# Altium PCB DI543.PcbDoc (part 5 of 8) (continued)
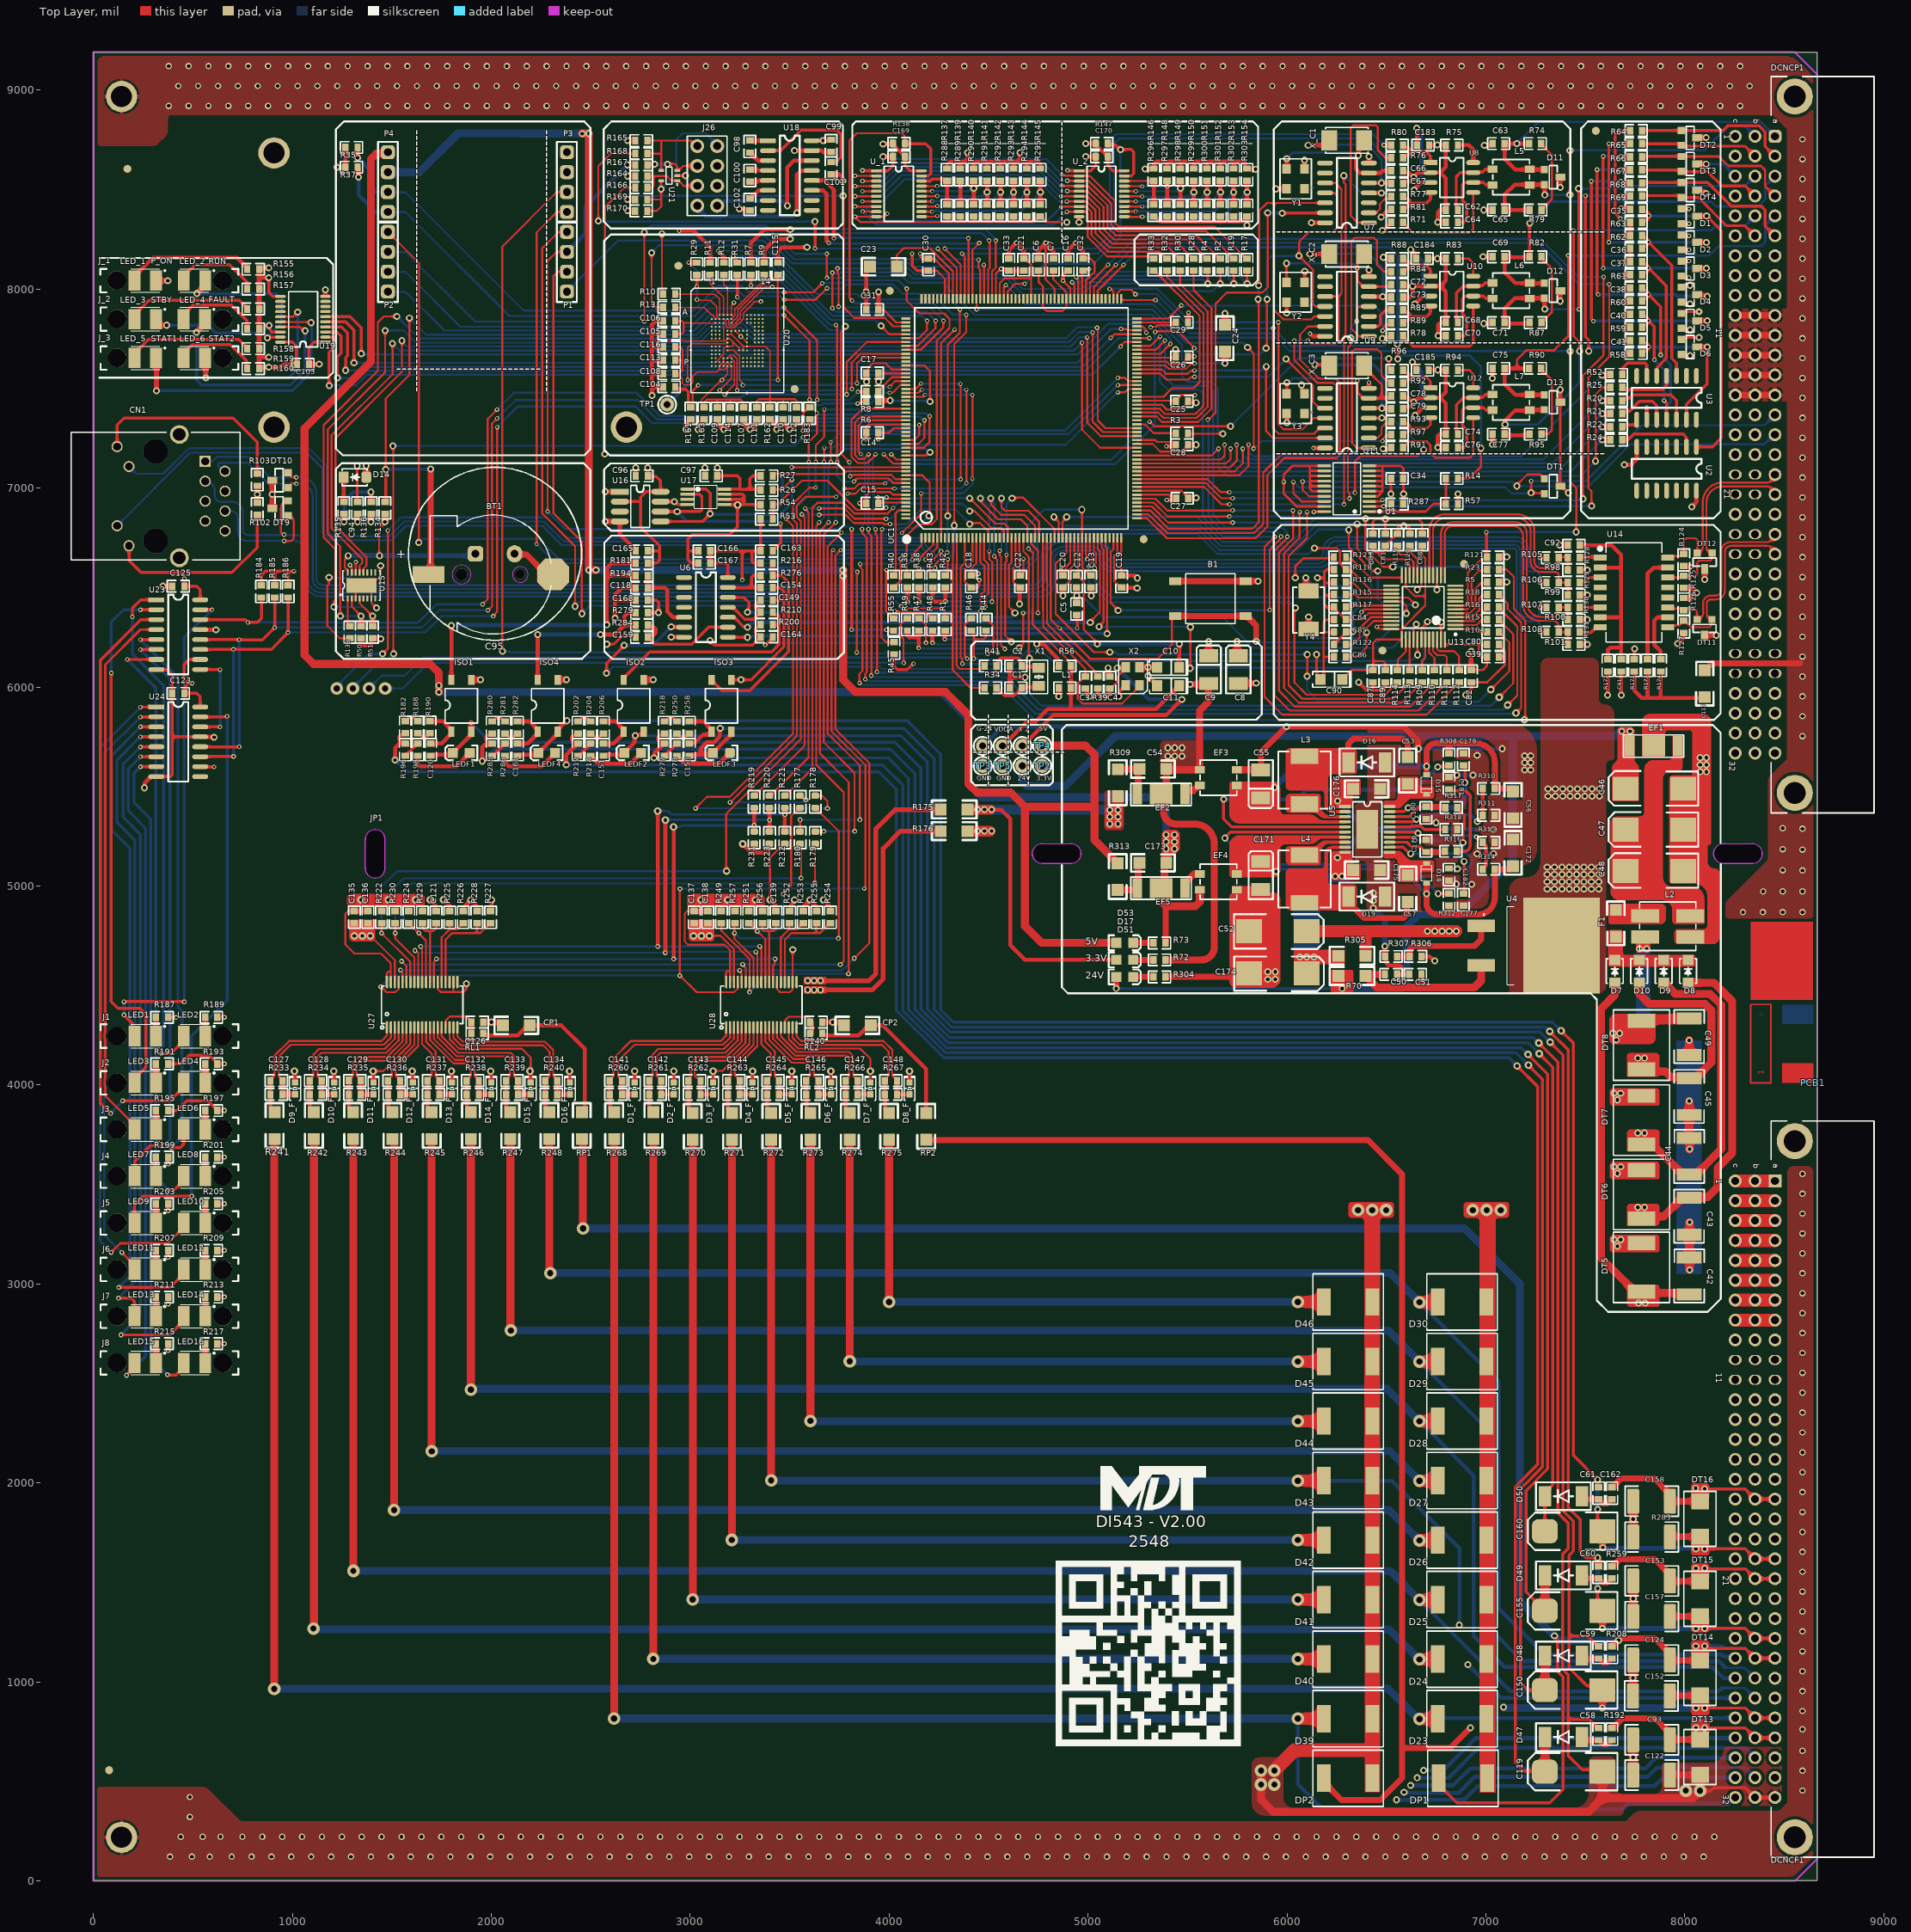
[diagram p0: Top Layer view]
## Nets (pads, with @x,y where several pads share a name; then routed paths per layer and width w, separated by ;. In a path a pad name is that pad's centre, name@x,y a point inside that pad or via, vN(x,y) a via of type N, cw(c..) or ccw(c..) an arc to the next point about the centre after c; other vN are vias at no path point) (continued)
  Top Layer w10: U27.12@1691.93,4289.32 1691.93,4226.59 1810.14,4108.38 1878.62,4108.38 1897.64,4089.36 1897.64,4046.88 1876.45,4025.7 C132.2@1876.45,4022.2
  Top Layer w19.68: R238.2@1876.45,3953.06 C132.2@1876.45,4022.2 ; R238.2@1877.39,3952.12 1877.39,3883.62 R246.2@1897.45,3863.56
NetC133_1: C133.1 D15_F.1 R239.1 U27.15 | length 712.9
  Top Layer w10: U27.15@1750.98,4289.32 1751.33,4288.97 1751.33,4244.27 1833.6,4162 2097.84,4162 2114.17,4145.67 2114.17,4046.53 2135.01,4025.7 C133.1@2135.01,4022.2
  Top Layer w19.68: R239.1@2135.01,3953.06 C133.1@2135.01,4022.2 ; R239.1@2135.22,3953.27 D15_F.1@2197.98,3953.27
NetC133_2: C133.2 R239.2 R247.2 U27.14 | length 745.9
  Top Layer w10: U27.14@1731.3,4289.32 1731.3,4239.03 1826.2,4144.13 2088.63,4144.13 2094.49,4138.27 2094.49,4046.18 2074.01,4025.7 C133.2@2074.01,4022.2
  Top Layer w19.68: R239.2@2074.01,3953.06 C133.2@2074.01,4022.2 ; R239.2@2074.88,3952.19 2074.88,3883.68 R247.2@2095.01,3863.56
NetC134_1: C134.1 D16_F.1 R240.1 U27.19 | length 849.5
  Top Layer w10: U27.19@1829.72,4289.32 1829.72,4244.62 1856.34,4218 2269.73,4218 2311.02,4176.71 2311.02,4047.24 2332.56,4025.7 C134.1@2332.56,4022.2
  Top Layer w19.68: R240.1@2332.56,3953.06 C134.1@2332.56,4022.2 ; R240.1@2332.77,3953.27 D16_F.1@2395.54,3953.27
NetC134_2: C134.2 R240.2 R248.2 U27.18 | length 884.6
  Top Layer w10: U27.18@1810.04,4289.32 1810.04,4236.74 1846.66,4200.13 2260.5,4200.13 2293.15,4167.48 2293.15,4047.29 2271.56,4025.7 C134.2@2271.56,4022.2
  Top Layer w19.68: R240.2@2271.56,3953.06 C134.2@2271.56,4022.2 ; R240.2@2272.51,3952.11 2272.51,3883.61 R248.2@2292.56,3863.56
NetC139_2: C139.2 R256.2 U28.27 | length 390.5
  Top Layer w9.84: R256.2@3362.78,4812.47 3362.78,4783.4 3372.18,4774 3393.68,4774 ; U28.27@3397.11,4517.67 3397.11,4770.57 3393.68,4774 ; C139.2@3431.28,4812.47 3431.28,4786.29 3418.99,4774 3393.68,4774
NetC141_1: C141.1 D1_F.1 R260.1 U28.2 | length 897
  Top Layer w10: C141.1@2655.57,4025.7 2644.57,4036.7 2644.11,4036.7 2638.26,4042.56 2638.26,4120.26 2720.6,4202.6 3165.51,4202.6 3200.26,4237.35 U28.2@3200.26,4289.32
  Top Layer w19.68: C141.1@2657.43,4022.2 R260.1@2657.43,3953.06 2657.64,3953.27 2720.4,3953.27 D1_F.1@2720.61,3953.49
NetC141_2: C141.2 R260.2 R268.2 U28.1 | length 922.8
  Top Layer w10: C141.2@2594.57,4025.7 2614.63,4045.76 2614.63,4134.63 2700.47,4220.47 3153.54,4220.47 3180.58,4247.51 U28.1@3180.58,4289.32
  Top Layer w19.68: R260.2@2596.43,3953.06 C141.2@2596.43,4022.2 ; R260.2@2597.39,3952.1 2597.39,3876.53 R268.2@2601.88,3872.05
NetC142_1: C142.1 D2_F.1 R261.1 U28.4 | length 764.7
  Top Layer w10: C142.1@2851.72,4025.7 2831.17,4046.24 2831.17,4141.73 2850.85,4161.42 3177.17,4161.42 3239.63,4223.89 U28.4@3239.63,4289.32
  Top Layer w19.68: R261.1@2851.47,3953.27 2914.23,3953.27 D2_F.1@2914.44,3953.49 ; R261.1@2854.92,3953.06 C142.1@2854.92,4022.2
NetC142_2: C142.2 R261.2 R269.2 U28.3 | length 783.2
  Top Layer w10: C142.2@2790.72,4025.7 2811.48,4046.47 2811.48,4153.54 2839.04,4181.1 3169.29,4181.1 3219.95,4231.76 U28.3@3219.95,4289.32
  Top Layer w19.68: R269.2@2794.72,3873.03 C142.2@2794.72,4021.4
NetC143_1: C143.1 D3_F.1 R262.1 U28.6 | length 598.2
  Top Layer w10: C143.1@3047.28,4022.38 3022,4047.66 3022,4096.34 3047.7,4122.05 3188.35,4122.05 3279,4212.7 U28.6@3279,4289.32
  Top Layer w19.68: C143.1@3052.42,4022.2 R262.1@3052.42,3953.06 D3_F.1@3115.18,3953.06
NetC143_2: C143.2 R262.2 R270.2 U28.5 | length 638.1
  Top Layer w10: C143.2@2982.96,4022.2 2993.96,4033.2 2993.96,4037.42 3004,4047.46 3004,4109.84 3035.89,4141.73 3182.76,4141.73 3259.32,4218.29 U28.5@3259.32,4289.32
  Top Layer w19.68: R262.2@2991.42,3953.06 C143.2@2991.42,4022.2 ; R262.2@2992.12,3952.37 2992.12,3891.08 2992.26,3890.93 2992.26,3879.55 R270.2@3012.42,3859.39
NetC144_1: C144.1 D4_F.1 R263.1 U28.9 | length 455.3
  Top Layer w10: C144.1@3247.53,4022.2 3247.53,4025.7 3224.87,4048.36 3224.87,4082.96 3338.06,4196.15 U28.9@3338.06,4289.32
  Top Layer w19.68: C144.1@3249.92,4022.2 R263.1@3249.92,3953.06 D4_F.1@3312.68,3953.06
NetC144_2: C144.2 R263.2 R271.2 U28.8 | length 493.7
  Top Layer w10: C144.2@3182.12,4022.2 3193.12,4033.2 3193.12,4036.79 3205.18,4048.85 3205.18,4088.55 3318.37,4201.74 U28.8@3318.37,4289.32
  Top Layer w19.68: R263.2@3188.92,3953.06 C144.2@3188.92,4022.2 ; R263.2@3189.89,3952.09 3189.89,3879.42 R271.2@3209.92,3859.39
NetC145_1: C145.1 D5_F.1 R264.1 U28.11 | length 427
  Top Layer w10: U28.11@3377.43,4289.32 3377.43,4217.52 3425.66,4169.29 3425.66,4045.12 3445.08,4025.7 C145.1@3445.08,4022.2
  Top Layer w19.68: R264.1@3445.3,3953.27 D5_F.1@3508.06,3953.27 ; R264.1@3447.41,3953.06 C145.1@3447.41,4022.2
NetC145_2: C145.2 R264.2 R272.2 U28.10 | length 438.1
  Top Layer w10: U28.10@3357.74,4289.32 3357.74,4205.71 3405.97,4157.48 3405.97,4047.59 C145.2@3384.08,4025.7
  Top Layer w19.68: R264.2@3386.41,3953.06 C145.2@3386.41,4022.2 ; R272.2@3387.09,3876.08 R264.2@3387.09,3952.39
NetC146_1: C146.1 D6_F.1 R265.1 U28.13 | length 535.3
  Top Layer w10: U28.13@3416.8,4289.32 3416.8,4232.18 3518.95,4130.03 3591.97,4130.03 3622.06,4099.94 3622.06,4046.28 3642.64,4025.7 C146.1@3642.64,4022.2
  Top Layer w19.68: R265.1@3639.98,3953.27 D6_F.1@3702.74,3953.27 ; R265.1@3644.91,3953.06 C146.1@3644.91,4022.2
NetC146_2: C146.2 R265.2 R273.2 U28.12 | length 570.5
  Top Layer w10: U28.12@3397.11,4289.32 3397.11,4226.59 3511.55,4112.16 3583.84,4112.16 3602.82,4093.18 3602.82,4046.88 C146.2@3581.64,4025.7
  Top Layer w19.68: R265.2@3583.91,3953.06 C146.2@3583.91,4022.2 ; R265.2@3584.57,3952.4 3584.57,3891.08 3584.75,3890.9 3584.75,3879.55 R273.2@3604.91,3859.39
NetC147_1: C147.1 D7_F.1 R266.1 U28.15 | length 712.9
  Top Layer w10: U28.15@3456.17,4289.32 3456.52,4288.97 3456.52,4244.27 3535.01,4165.78 3799.25,4165.78 3819.36,4145.67 3819.36,4046.53 3840.19,4025.7 C147.1@3840.19,4022.2
  Top Layer w19.68: C147.1@3842.41,4022.2 R266.1@3842.41,3953.06 D7_F.1@3905.17,3953.06
NetC147_2: C147.2 R266.2 R274.2 U28.14 | length 722
  Top Layer w10: U28.14@3436.48,4289.32 3436.48,4239.03 3527.61,4147.9 3791.85,4147.9 3799.67,4140.08 3799.67,4046.18 C147.2@3779.19,4025.7
  Top Layer w19.68: R266.2@3781.41,3953.06 C147.2@3781.41,4022.2 ; R274.2@3782.06,3876.93 R266.2@3782.06,3952.41
NetC148_1: C148.1 D8_F.1 R267.1 U28.19 | length 849.5
  Top Layer w10: U28.19@3534.91,4289.32 3534.91,4244.62 3558.74,4220.79 3972.13,4220.79 4016.21,4176.71 4016.21,4047.24 4037.75,4025.7 C148.1@4037.75,4022.2
  Top Layer w19.68: R267.1@4037.96,3953.27 D8_F.1@4100.72,3953.27 ; R267.1@4039.91,3953.06 C148.1@4039.91,4022.2
NetC148_2: C148.2 R267.2 R275.2 U28.18 | length 888.8
  Top Layer w10: U28.18@3515.22,4289.32 3515.22,4236.74 3550.6,4201.37 3964.45,4201.37 3998.33,4167.48 3998.33,4047.29 3976.75,4025.7 C148.2@3976.75,4022.2
  Top Layer w19.68: R267.2@3978.91,3953.06 C148.2@3978.91,4022.2 ; R267.2@3979.83,3952.14 3979.83,3879.47 R275.2@3999.91,3859.39
NetC149_2: C149.2 R210.1 U6.11 | length 298.2
  Top Layer w15: U6.11@3188.98,6400.98 3214.54,6400.98 3221.48,6394.05 3221.48,6393.68 3273.52,6341.63 3320.17,6341.63 3342.33,6363.79 3345.93,6363.79 R210.1@3354.33,6372.19 ; R210.1@3354.43,6375.79 3354.43,6379.29 3345.93,6387.79 3336.3,6387.79 3327.51,6396.58 3327.51,6416.79 3336.3,6425.58 3345.93,6425.58 3354.43,6434.08 C149.2@3354.43,6437.58
NetC151_1: C151.1 ISO2.1 R206.1 | length 261.6
  Top Layer w20: C151.1@2564.3,5715.76 2615.49,5715.76 2666.16,5766.42 ISO2.1@2666.16,5776.27 2666.16,5786.11 2624.62,5827.65 R206.1@2564.3,5827.65
NetC154_2: C154.2 R276.1 U6.13 | length 268.5
  Top Layer w15: U6.13@3188.98,6499.37 3308.07,6499.37 ; C154.2@3354.43,6499.37 3308.07,6499.37 ; R276.1@3354.43,6561.16 3316.86,6561.16 3308.07,6552.38 3308.07,6499.37
NetC156_1: C156.1 ISO3.1 R258.1 | length 278.4
  Top Layer w20: C156.1@2996.7,5715.76 3002.7,5721.76 3025.73,5721.76 3065.47,5761.5 3101.48,5761.5 3107.22,5767.25 3107.22,5786.11 3065.69,5827.65 R258.1@2996.7,5827.65
NetC159_2: C159.2 R284.1 U6.9 | length 556.5
  Top Layer w15: C159.2@2795.7,6238.21 2797.22,6238.21 2819.88,6215.55 3007.87,6215.55 3093.31,6300.98 U6.9@3188.98,6300.98
  Top Layer w20: C159.2@2787.2,6250.21 2793.2,6256.21 2793.2,6259.71 2814.07,6259.71 2825.79,6271.43 2825.79,6292.32 2814.07,6304.04 2793.2,6304.04 2793.2,6306.29 R284.1@2787.2,6312.29
NetC161_1: C161.1 ISO4.1 R282.1 | length 260
  Top Layer w20: C161.1@2132.42,5715.76 2182.62,5715.76 2233.49,5766.63 ISO4.1@2233.49,5776.47 2227.74,5782.22 2227.74,5792.06 2192.16,5827.65 R282.1@2132.42,5827.65
NetC171_1: C171.1 C172.2 D18.A EF4.2 R312.1 R314.2 U5.7 | length 2144.1
  Top Layer w15: C171.1@5868.84,5122.84 5869,5122.84 5869,5193 cw(c5922.09,5193) 5922.09,5246.09 U5.7@6292,5246.09
  Top Layer w30: D18.A@6702.32,5009.36 v1(6702.32,4961.02) 6702.32,4912.68 ccw(c6758,4912.68) 6758,4857 6817,4857 ; R312.1@6815.04,4901.09 6816,4901.09 6817,4900.09 6817,4857 ; C172.2@7136,5099.77 cw(c7121,5099.77) 7121,5084.77 R314.2@7045,5084.77 7045,4941 cw(c6961,4941) 6961,4857 6817,4857
  Bottom Layer w15: v1(5946,5073) 5951.41,5073 5963.41,5085 6578.34,5085 v1(6702.32,4961.02)
NetC173_2: C173.2 EF5.3 R313.1 | length 236
  Top Layer w35: R313.1@5149.27,4979.84 5240.83,4979.84 5247.33,4986.34 EF5.3@5247.33,4989.45 5253.1,4995.22 5253.1,5111.07 C173.2@5258.88,5116.84
NetC177_2: C177.2 U5.12 | length 568
  Top Layer w15: U5.12@6516.41,5194.91 6584.57,5194.91 6616.53,5162.95 v1(6621.95,5162.95) ; C177.2@6887.1,4962.09 6892,4966.99 6892,5123 v1(6891,5124)
  Bottom Layer w15: v1@6622.23,5162.95 6852.05,5162.95 v1(6891,5124)
NetC178_1: C178.1 U5.19 | length 591.5
  Top Layer w15: U5.19@6516.41,5374.04 6538.06,5374.04 6579,5374 ccw(c6579,5400.56) 6597.78,5381.78 v1(6609,5393) ; v1@6886,5516 6886,5518.44 6895,5527.44 C178.1@6895,5605 ; C178.1@6887.1,5606.25 C178.1@6893,5600.35
  Bottom Layer w25: v1(6609,5393) 6844,5393 ccw(c6844,5444) 6895,5444 v1(6895,5520)
NetC179_2: C179.2 R316.2 U5.13 | length 301.5
  Top Layer w15: U5.13@6516.41,5220.5 6603.5,5220.5 6626.05,5197.95 6670.74,5197.95 6687.38,5181.31 6687.38,5179.19 6696.57,5170 C179.2@6698.68,5170 ; R316.2@6790.14,5170.69 ccw(c6790.14,5174.69) R316.2@6794.14,5174.69
  Top Layer w30: C179.2@6699.38,5170.69 R316.2@6790.14,5170.69
NetC180_2: C180.2 R317.1 U5.18 | length 302.6
  Top Layer w15: U5.18@6516.41,5348.45 6614.45,5348.45 6664.25,5398.25 C180.2@6699.38,5398.25 ; R317.1@6792.14,5398.25 cw(c6792.14,5394.25) R317.1@6796.14,5394.25
  Top Layer w30: C180.2@6699.38,5398.25 R317.1@6792.14,5398.25
NetC181_2: C181.2 R316.1 | length 455.3
  Top Layer w15: C181.2@6815.04,5486.23 6822.27,5479 6899,5479 6922,5456 6922,5206 cw(c6890,5206) 6890,5174 6855.14,5174 R316.1@6855.14,5174.69
NetC182_2: C182.2 R317.2 | length 439.5
  Top Layer w15: C182.2@6815.04,5088.77 6815.93,5087.89 6856.11,5087.89 v1(6857,5087) ; R317.2@6857.14,5394.25 6857.14,5390.75 6887.61,5360.29 cw(c6877,5349.68) 6892,5349.68 6892,5290.05 6884.97,5283.01 v1(6884.97,5217.97)
  Bottom Layer w15: v1(6857,5087) 6903.5,5087 6926,5109.5 6926,5141 6884.97,5182.03 v1(6884.97,5217.97)
NetCN1_9: CN1.9 R103.1 | length 1050.5
  Top Layer w15: CN1.9@118.95,7208.91 119,7318 154,7353 703,7353 824,7232 R103.1@824,7060.21
NetCN1_10: CN1.10 R115.1 U13.28 | length 7911.8
  Top Layer w10: R115.1@6297.23,6465.71 6343.35,6465.71 6359.21,6449.85 U13.28@6524.4,6449.85 6610.19,6449.85 v1(6646.65,6413.39) ; v1(6311.02,6790.32) 6311.02,6702.76 6430.42,6583.36 6456.01,6583.36 v1@6457.68,6581.69
  Bottom Layer w10: CN1.10@178.79,7108.91 182,7105.7 184.93,7102.77 215.7,7072 351,7072 480,7201 1083,7201 1174,7110 1174,6786.63 1202.13,6758.5 1488.82,6758.5 1562.99,6832.68 2264.04,6832.68 2364.84,6731.87 4165.37,6731.87 4283.24,6614 4680.71,6614 4727.04,6660.33 4727.04,6763.46 4754.58,6791 5557.28,6791 5659.28,6689 6054.16,6689 6157.48,6792.32 6309.02,6792.32 v1(6311.02,6790.32) ; v1(6456.69,6583.66) 6456.69,6444.88 6488.19,6413.39 v1(6646.65,6413.39)
NetCN1_11: CN1.11 R118.1 U13.26 | length 7356.3
  Top Layer w10: v1(6138.78,6698.82) 6250,6698.82 6266.73,6682.09 6266.73,6619.5 6297.23,6589 6297.23,6585.5 6300.05,6582.68 6326.77,6582.68 6344,6565.45 ; 6344.49,6564.96 6420.23,6489.22 U13.26@6524.4,6489.22
  Bottom Layer w10: CN1.11@118.95,6810.87 485.97,7177.89 1073.11,7177.89 1151,7100 1151,6778.13 1190.63,6738.5 1500.32,6738.5 1572.83,6811.02 2257.41,6811.02 2354.43,6714 4153.13,6714 4271,6596.13 4692.13,6596.13 4746,6650 4746,6747.97 4769.03,6771 5549,6771 5651,6669 6108.96,6669 v1(6138.78,6698.82)
NetCN1_12: CN1.12 R102.1 | length 960.6
  Top Layer w15: CN1.12@178.79,6710.87 178.79,6636.17 239.17,6575.79 696.85,6575.79 823.5,6702.44 823.5,6865.5 R102.1@824,6866
NetCP1_1: CP1.1 RL1.2 RP1.1 | length 871.2
  Top Layer w19.68: RL1.2@1973,4249 2132.52,4249 CP1.1@2183.52,4300 ; CP1.1@2193.52,4300 2352,4300 2470.47,4181.53 RP1.1@2470.47,3868
NetCP2_1: CP2.1 RL2.2 RP2.1 | length 834.3
  Top Layer w19.68: RL2.2@3674.27,4258.38 3674.27,4255.16 3680.43,4249 3847,4249 CP2.1@3898,4300 ; CP2.1@3908,4300 3967,4300 4186,4081 RP2.1@4186,3866
NetD7_K: D7.K D8.K D9.K D10.K F1.1 | length 368
  Top Layer w50: D7.K@7649,4627.83 D10.K@7771.67,4627.83 D9.K@7894.33,4627.83 D8.K@8017,4627.83
NetD14_K: D14.K R135.2 | length 122
  Top Layer w20: R135.2@1258.03,6933.07 D14.K@1258.03,7055.06
NetD17_K: D17.K R72.2 | length 94.1
  Top Layer w15: D17.K@5235.32,4629.34 D17.K@5235.9,4628.76
  Top Layer w30: D17.K@5235.9,4628.76 R72.2@5329.19,4628.76
NetD51_K: D51.K R304.1 | length 93.9
  Top Layer w25: D51.K@5235.32,4543.68 D51.K@5235.4,4543.59 ; R304.1@5329.11,4543.59 R304.1@5329.19,4543.51
  Top Layer w30: D51.K@5235.4,4543.59 R304.1@5329.11,4543.59
NetD53_K: D53.K R73.2 | length 94.3
  Top Layer w20: D53.K@5235.32,4715 D53.K@5235.82,4714.5 ; R73.2@5328.69,4714.5 R73.2@5329.19,4714
  Top Layer w30: D53.K@5235.82,4714.5 R73.2@5328.69,4714.5
NetDCNCP1_A15: DCNCP1.A15 DT1.2 U1.18 | length 2943.3
  Top Layer w10: v3@6032,7033 6032,6974.89 6073.44,6933.45 U1.18@6188,6933.45 ; v3(7228,7035.84) 7228,6979 7231.5,6975.5 7291,6975.5 DT1.2@7294.5,6972
  Bottom Layer w10: v3(6032,7032) 6060.22,7003.78 7098.58,7003.78 7128.11,6974.25 v1@7230.25,6974.25 ; v3(7228,7035.84) 7504.35,7035.84 7785.19,7316.69 8401.97,7316.69 DCNCP1.A15@8453.78,7368.5
  other v1: 7228,6976.48
NetDCNCP1_A16: DCNCP1.A16 DT1.1 U1.17 | length 2830.6
  Top Layer w10: v3(6079,7032.89) 6079,6991 6110.96,6959.04 U1.17@6188,6959.04 ; v1(7155.51,7010.83) 7155.51,7015.75 7208.66,7068.9 7272.6,7068.9 DT1.1@7294.5,7047
  Bottom Layer w10: v3(6079,7032.89) 7131.61,7032.89 7153.68,7010.83 v1(7155.51,7010.83) 7156.5,7009.84 7516.73,7009.84 7727.91,7221.02 8401.02,7221.02 8448.5,7268.5 DCNCP1.A16@8453.78,7268.5
NetEF2_1: EF2.1 EF3.4 | length 100.5
  Top Layer w35: EF2.1@5487.49,5461.49 5487.49,5474.26 5493.99,5480.76 5531,5480.76 5556.16,5505.93 EF3.4@5562.07,5505.93
NetEF4_3: EF4.3 EF5.1 | length 119.4
  Top Layer w35: EF5.1@5487.49,4989.45 5487.49,5015.45 5531.63,5059.59 5560.87,5059.59 EF4.3@5562.07,5060.8
NetF1_2: F1.2 L2.1
NetISO1_4: ISO1.4 R181.2 R194.2 | length 1653.5
  Top Layer w20: ISO1.4@1800,6024.56 v1(1800,6310) ; v1(2580.71,6313.09) 2580.71,6560.59 ; R194.2@2726.2,6560.59 2580.71,6560.59 ; R181.2@2726.2,6622.67 2604.95,6622.67 2580.71,6598.43 2580.71,6560.59
  Bottom Layer w20: v1(1800,6310) 1801.55,6311.55 2579.89,6311.55 v1@2580.71,6312.36
NetISO2_4: ISO2.4 R200.2 R210.2 | length 1070.7
  Top Layer w15: ISO2.4@2664.05,6044 ISO2.4@2674.4,6054.36 ; ISO2.4@2674.4,6054.4 2797.17,6177.17 3410.17,6177.17 3448,6215 3448,6314 ; R200.2@3415.43,6314 3448,6314 ; R210.2@3415.43,6375.79 3415.43,6372.29 3423.93,6363.79 3439.21,6363.79 3448,6355 3448,6314
NetISO3_4: ISO3.4 R216.2 R276.2 | length 990.2
  Top Layer w15: ISO3.4@3107.23,6036.27 3160.49,5983 3299,5983 3494,6178 3494,6527 3460.24,6560.76 3414.37,6560.76 R216.2@3414.37,6618.69
NetISO4_4: ISO4.4 R279.2 R284.2 | length 864.1
  Top Layer w15: R284.2@2726.2,6312.29 2726.21,6315.79 R284.2@2734.7,6324.29
  Top Layer w20: ISO4.4@2233.49,6036.47 v1(2233.49,6264.32) ; v1(2549.21,6264.32) 2621.61,6264.32 2669.29,6312 ; R284.2@2726.2,6312.29 2725.92,6312 2669.29,6312 ; R279.2@2726.2,6374.36 2725.86,6374.02 2687.99,6374.02 2669.29,6355.32 2669.29,6312
  Bottom Layer w20: v1(2233.49,6264.32) v1(2549.21,6264.32)
NetJ26_1: J26.1 R165.1 R168.2 U21.4 | length 483.2
  Top Layer w10: R168.2@2784.92,8681.69 2851.96,8681.69 2854.33,8684.06 ; R165.1@2784.92,8747.08 2854.33,8747.08 3000.79,8747.08 3028.19,8719.69 J26.1@3035.83,8719.69 ; U21.4@2854.33,8596.46 2854.33,8684.06 ; 2854.33,8747.05 2854.33,8684.06
NetJ26_2: J26.2 R169.2 R170.2 U21.5 | length 807.5
  Top Layer w10: R170.2@2784.74,8393.47 2832.45,8393.47 2854.33,8415.35 v1(2854.33,8502.95) U21.5@2854.33,8545.28 ; R169.2@2784.74,8451.76 2785.71,8450.79 2853.35,8450.79
  Bottom Layer w10: v1(2854.33,8502.95) 2857.04,8502.95 2931.1,8577.02 2931.1,8751.97 2962.6,8783.46 3077.76,8783.46 3135.83,8725.39 J26.2@3135.83,8719.69
NetJ26_3: J26.3 R167.2 U21.3 | length 289.3
  Top Layer w10: R167.2@2784.92,8624.58 R167.2@2787.31,8626.97 ; v1@2886.83,8629.92 2923.23,8629.92 2935.04,8618.11 U21.3@2935.04,8596.46 2941.93,8596.46 2965.16,8619.69 J26.3@3035.83,8619.69
  Top Layer w20: R167.2@2787.31,8626.97 v1@2822.83,8626.97
  Bottom Layer w10: v1@2822.83,8626.97 v1@2824.31,8628.45 ; v1@2885.35,8628.45 v1@2886.83,8629.92
  Bottom Layer w20: v1@2824.31,8628.45 v1@2885.35,8628.45
  other v1: 2820.87,8627.95 2886.83,8627.95
NetJ26_5: J26.5 R164.1 R166.2 U21.1 | length 357
  Top Layer w10: R166.2@2784.92,8510.35 2785.39,8510.83 2809.06,8510.83 2815.95,8517.72 2815.95,8568.8 ; R164.1@2784.92,8567.47 2786.25,8568.8 2815.95,8568.8 ; J26.5@3035.83,8519.69 2967.52,8519.69 2941.93,8545.28 U21.1@2935.04,8545.28 2906.5,8545.28 2882.98,8568.8 2815.95,8568.8
NetJ26_7: J26.7 U18.13 | length 811.3
  Top Layer w20: v1(3536.42,8382.87) 3536.42,8574.8 3558.13,8596.51 U18.13@3611.19,8596.51
  Bottom Layer w20: J26.7@3035.83,8419.69 3035.83,8409.06 3079.72,8365.16 3112.57,8365.16 3113.05,8364.69 3158.61,8364.69 3159.08,8365.16 3517.2,8365.16 3533.84,8381.79 v1@3535.33,8381.79
NetJ26_8: J26.8 U18.14 | length 704.8
  Top Layer w20: v1(3489.17,8419.29) 3487.2,8421.26 3487.2,8612.2 3521.51,8646.51 U18.14@3611.19,8646.51
  Bottom Layer w20: J26.8@3135.83,8419.69 3149.12,8419.69 3172.54,8443.11 3465.35,8443.11 v1(3489.17,8419.29)
NetL3_2: L3.2 U5.3 | length 228.1
  Top Layer w15: L3.2@6089,5412.09 6113.69,5412.09 cw(c6113.69,5397.09) 6124.26,5407.74 6179.16,5352.84 6179.2,5352.8 ccw(c6189.76,5363.45) 6189.76,5348.45 U5.3@6292,5348.45
NetL4_2: L4.2 U5.8 | length 189.7
  Top Layer w15: L4.2@6126,5163 6183.23,5220.23 U5.8@6292,5220.23
NetLED1_K: LED1.K R187.1 | length 94.1
  Top Layer w20: LED1.K@314.58,4246.19 R187.1@314.58,4340.33
NetLED2_K: LED2.K R189.1 | length 94.7
  Top Layer w20: R189.1@562.41,4340.52 562.61,4340.33 562.61,4246.19 LED2.K@562.8,4246
NetLED3_K: LED3.K R191.1 | length 94.7
  Top Layer w20: LED3.K@314.58,4011.19 R191.1@314.58,4105.92
NetLED4_K: LED4.K R193.1 | length 95.3
  Top Layer w20: R193.1@562.41,4106.11 562.61,4105.92 562.61,4011.19 LED4.K@562.8,4011
NetLED5_K: LED5.K R195.1 | length 94.3
  Top Layer w20: LED5.K@314.58,3777.19 R195.1@314.58,3871.52
NetLED6_K: LED6.K R197.1 | length 94.9
  Top Layer w20: R197.1@562.41,3871.71 562.61,3871.52 562.61,3777.19 LED6.K@562.8,3777
NetLED7_K: LED7.K R199.1 | length 94.9
  Top Layer w20: LED7.K@314.58,3542.19 R199.1@314.58,3637.11
NetLED8_K: LED8.K R201.1 | length 95.5
  Top Layer w20: R201.1@562.41,3637.3 562.61,3637.11 562.61,3542.19 LED8.K@562.8,3542
NetLED9_K: LED9.K R203.1 | length 95.5
  Top Layer w20: LED9.K@314.58,3307.19 R203.1@314.58,3402.71
NetLED10_K: LED10.K R205.1 | length 96.1
  Top Layer w20: R205.1@562.41,3402.9 562.61,3402.71 562.61,3307.19 LED10.K@562.8,3307
NetLED11_K: LED11.K R207.1 | length 95.1
  Top Layer w20: LED11.K@314.58,3073.19 R207.1@314.58,3168.3
NetLED12_K: LED12.K R209.1 | length 95.7
  Top Layer w20: R209.1@562.41,3168.49 562.61,3168.3 562.61,3073.19 LED12.K@562.8,3073
NetLED13_K: LED13.K R211.1 | length 95.7
  Top Layer w20: LED13.K@314.58,2838.19 R211.1@314.58,2933.89
NetLED14_K: LED14.K R213.1 | length 96.2
  Top Layer w20: R213.1@562.41,2934.09 562.61,2933.89 562.61,2838.19 LED14.K@562.8,2838
NetLED15_K: LED15.K R215.1 | length 96.3
  Top Layer w20: LED15.K@314.58,2603.19 R215.1@314.58,2699.49
NetLED16_K: LED16.K R217.1 | length 96.8
  Top Layer w20: R217.1@562.41,2699.68 562.61,2699.49 562.61,2603.19 LED16.K@562.8,2603
NetLED_1_A: LED_1.A R155.1 | length 648.9
  Top Layer w20: LED_1.A@206.84,8043.71 206.84,8065.37 299.47,8158 722.47,8158 763.29,8117.18 766.79,8117.18 772.79,8111.18 R155.1@772.79,8107.68
NetLED_2_A: LED_2.A R156.1 | length 429.5
  Top Layer w15: LED_2.A@453.44,8043.71 453.44,8065.37 512.08,8124 684,8124 772.79,8035.21 R156.1@772.79,8007.77
NetLED_2_K: LED_2.K U19.19 | length 814.5
  Top Layer w15: LED_2.K@561.71,8022.06 LED_2.K@561.71,8043.71 ; v1(873.79,7755) 879.2,7755 883.61,7759.41 U19.19@940,7759.41
  Top Layer w25: v1(520,7979) 520,7980.35 LED_2.K@561.71,8022.06
  Bottom Layer w15: v1(520,7979) 522,7977 923,7977 945,7955 945,7829 873.79,7757.79 v1(873.79,7755)
NetLED_3_A: LED_3.A R157.1 | length 637.6
  Top Layer w15: LED_3.A@206.84,7849.8 206.84,7871.45 279.39,7944 733.15,7944 772.79,7904.36 R157.1@772.79,7900.86
NetLED_3_K: LED_3.K U19.18 | length 697.1
  Top Layer w15: LED_3.K@315.11,7849.8 315.11,7841.03 LED_3.K@337.14,7819 ; v1@885,7818 885.96,7817.04 885.96,7797.04 897.86,7785.14 939.86,7785.14 U19.18@940,7785
  Top Layer w25: LED_3.K@337.14,7819 v1(368,7819)
  Bottom Layer w15: v1(368,7819) 575.12,7819 613.12,7781 845.87,7781 v1(882.87,7818)
NetLED_4_A: LED_4.A R158.1 | length 426.8
  Top Layer w15: LED_4.A@453.1,7849.8 453.1,7871.45 501.65,7920 693,7920 772.79,7840.21 R158.1@772.79,7807.95
NetLED_4_K: LED_4.K U19.17 | length 1242.3
  Top Layer w10: U19.17@940,7810.59 1037.64,7810.59 1057.24,7791 v1(1064,7791)
  Top Layer w15: v1(518,7783) v1@518,7784.78 ; LED_4.K@561.37,7828.15 LED_4.K@561.37,7849.8
  Top Layer w25: v1@518,7784.78 LED_4.K@561.37,7828.15
  Bottom Layer w15: v1(518,7783) 518,7544 544,7518 990,7518 1064,7592 v1(1064,7791)
NetLED_5_A: LED_5.A R159.2 | length 632.9
  Top Layer w15: LED_5.A@206.84,7654.96 206.84,7676.61 277.23,7747 730.32,7747 769.29,7708.04 R159.2@772.79,7708.04
NetLED_5_K: LED_5.K U19.16 | length 1390.1
  Top Layer w10: LED_5.K@315.11,7654.96 LED_5.K@317,7653.07 ; U19.16@940,7836.18 941.1,7835.08 1090.92,7835.08 v1(1094,7832)
  Top Layer w25: v1(317,7490) LED_5.K@317,7653.07
  Bottom Layer w15: v1(317,7490) 1001,7490 1094,7583 1094,7708.25 1099,7713.25 1099,7805.5 1097.83,7806.67 1097.83,7828.17 v1(1094,7832)
NetLED_6_A: LED_6.A R160.2 | length 424.3
  Top Layer w15: LED_6.A@453.1,7654.96 453.1,7676.61 498.49,7722 688,7722 768.67,7641.33 768.67,7612.24 R160.2@772.79,7608.13
NetLED_6_K: LED_6.K U19.15 | length 966.8
  Top Layer w10: U19.15@940,7861.77 940.61,7862.39 1005.04,7862.39 1026.57,7883.92 v1(1026.57,7884.84)
  Top Layer w15: LED_6.K@561.37,7654.96 LED_6.K@563,7653.33
  Top Layer w25: LED_6.K@563,7653.33 564.09,7652.24 564.09,7555.91 v1(566,7554)
  Bottom Layer w15: v1(566,7554) 567,7553 982,7553 1026.68,7597.68 1026.68,7816.36 1026.08,7816.95 1026.08,7884.35 v1(1026.57,7884.84)
NetLEDF1_A: LEDF1.A R198.1 | length 337.6
  Top Layer w20: R198.1@1631.53,5654.76 1627.99,5651.22 1627.99,5616.14 1641.77,5602.36 1825.24,5602.36 LEDF1.A@1892.13,5669.26
NetLEDF2_A: LEDF2.A R214.1 | length 294
  Top Layer w20: R214.1@2500.39,5654.76 2503.89,5654.76 2509.89,5648.76 2509.89,5645.26 2539.99,5615.16 2699.47,5615.16 LEDF2.A@2753.57,5669.26
NetLEDF3_A: LEDF3.A R278.1 | length 306.1
  Top Layer w20: R278.1@2933.62,5654.76 2937.12,5654.76 2943.12,5648.76 2943.12,5645.26 2972.24,5616.14 3146.6,5616.14 LEDF3.A@3199.72,5669.26
NetLEDF4_A: LEDF4.A R286.1 | length 321.7
  Top Layer w20: R286.1@2068.51,5654.76 2069.53,5653.74 2069.53,5620.48 2087.64,5602.36 2254.41,5602.36 LEDF4.A@2321.31,5669.26
NetP1_1: P1.1 R1.2 | length 3953.1
  Top Layer w10: P1.1@2380.42,8288 2378.5,8286.08 2336.28,8286.08 2256.89,8206.69 2256.89,6872.05 2421.26,6707.68 v1(2421.26,6405.51) ; v3(4060.5,6406) 4062.14,6406 4072.36,6395.78 4263.22,6395.78 4279.85,6379.15 R1.2@4279.85,6344.78
  Bottom Layer w10: v1(2421.26,6405.51) 2448.75,6433 4033.5,6433 v3(4060.5,6406)
NetP1_3: P1.3 R48.1 | length 3636.8
  Top Layer w10: P1.3@2380.42,8088 2334.06,8088 2312.99,8066.93 2312.99,6874.02 2455.71,6731.3 v1(2455.71,6369.09) ; v3(4028,6383) 4030.3,6380.7 4049.03,6380.7 4053.95,6375.78 4184.59,6375.78 4215.59,6344.78 R48.1@4216.14,6344.78
  Bottom Layer w10: v1(2455.71,6369.09) 2495.75,6409.13 4001.87,6409.13 v3(4028,6383)
NetP1_4: P1.4 R42.1 | length 3618.9
  Top Layer w10: R42.1@4294.35,6561 4294.35,6642.63 v3(4294.5,6642.78) ; v1(4327.76,6812.01) 4327.76,7723.43 4388.36,7784.03 v3(4388.36,7872.46)
  Bottom Layer w10: P1.4@2380.42,7988 2636.42,8244 3370,8244 3638.61,7975.39 3841.61,7975.39 3867.87,7949.13 4243.87,7949.13 4320.72,7872.28 4388.19,7872.28 v3(4388.36,7872.46) ; v3(4294.5,6642.78) 4295.35,6642.78 4327.76,6675.18 v1(4327.76,6812.01)
NetP2_1: P2.1 R40.2 | length 4264.7
  Top Layer w10: P2.1@1480.42,8288 1635.83,8132.59 v1(1635.83,6726.38) ; R40.2@4023.02,6500 4057.09,6534.06 4057.09,6643.59 v3(4059,6645.5)
  Bottom Layer w10: v1(1635.83,6726.38) 1636.07,6726.38 1654.18,6744.49 2238.78,6744.49 2341.27,6642 3784,6642 3792,6650 4026.09,6650 4030.58,6645.5 v3(4059,6645.5)
NetP2_2: P2.2 R3.2 | length 5713.2
  Top Layer w10: v3(2769.69,7837.6) v1(2769.69,8285.43) ; v3(3687.01,8056.92) v3(3687.01,8178) ; R3.2@5503,7276 5505.38,7273.62 v1(5678.15,7273.62)
  Bottom Layer w10: P2.2@1480.42,8188 1481.9,8186.52 1569.48,8186.52 1919,7837 v3@2769.69,7837 ; v1(2769.69,8285.43) 2803.94,8319.69 3381.96,8319.69 3524.48,8177.17 3686.17,8177.17 v3(3687.01,8178) ; v3(3687.01,8056.92) 3758.2,8056.92 3765.79,8064.51 4066.78,8064.51 4098.28,8033 4269.43,8033 4420.86,7881.57 4420.86,7881.48 4430.29,7872.05 5321.85,7872.05 5472.87,7721.03 5472.87,7559.13 5498.22,7533.78 5621.22,7533.78 5653.54,7501.46 5653.54,7286.69 5661.83,7278.41 5673.37,7278.41 v1(5678.15,7273.62)
NetP2_3: P2.3 R8.1 | length 2945.9
  Top Layer w10: v3@3474.41,7908.46 3474.41,7905.37 3637.8,7741.98 v3(3637.8,7443.9) ; v3(3843.5,7484.25) 3883.68,7484.25 R8.1@3885.43,7486
  Bottom Layer w10: P2.3@1480.42,8088 1481.9,8086.52 1569.48,8086.52 1844.4,7811.6 3005.5,7811.6 3097.8,7903.91 3469.85,7903.91 v3@3474.41,7908.46 ; v3(3637.8,7443.9) 3803.15,7443.9 v3(3843.5,7484.25)
  other v3: 3471.31,7908.46
NetP2_4: P2.4 R6.1 | length 2888.6
  Top Layer w10: v3@3473.4,7869.98 3473.4,7867.89 3600.43,7740.86 v3@3600.43,7441 ; v3(3842.48,7425.21) 3846.2,7425.21 3853.98,7433 R6.1@3885.43,7433
  Bottom Layer w10: P2.4@1480.42,7988 1481.9,7986.52 1569.48,7986.52 1764.4,7791.6 3020.6,7791.6 3100.06,7871.06 v3@3472.31,7871.06 ; v3@3600.43,7441 3603.39,7441 3626.49,7417.9 3660.62,7417.9 3667.93,7425.21 v3(3842.48,7425.21)
  other v3: 3600.43,7443.95 3471.31,7869.98
NetP3_1: P3.1 R44.1 | length 4702.3
  Top Layer w10: v6(2228.35,6719.49) 2228.35,8285.43 2331.39,8388.48 P3.1@2380.42,8388.48 ; v3(3837.19,6174.21) 3838.34,6175.37 3838.34,6576.84 v3(3840.5,6579) ; R44.1@4488.08,6344.78 4523.35,6309.51 4523.35,6196.35 4496,6169 v3(4496,6167.28)
  Bottom Layer w10: v6(2228.35,6719.49) 2324.83,6623 3795.5,6623 3839.5,6579 v3(3840.5,6579) ; v3(3837.19,6174.21) 3839.49,6171.92 3846.63,6171.92 3849.55,6169 4494.28,6169 v3(4496,6167.28)
NetP3_2: P3.2 R47.1 | length 4762.3
  Top Layer w10: v1(2057.09,6180.5) 2055.85,6181.74 2055.85,8214.31 2330.02,8488.48 P3.2@2380.42,8488.48 ; R47.1@4152.42,6344.78 4155.92,6344.78 4184.64,6316.07 4184.64,6223.83 v3(4186.02,6222.44)
  Bottom Layer w10: v1(2057.09,6180.5) 2058.37,6179.21 2089.59,6179.21 2094.59,6174.21 3400.21,6174.21 3448.44,6222.44 v3(4186.02,6222.44)